# Altium PCB Shuttler_AFE.PcbDoc (part 4 of 5)
Units mil, origin at the board's own origin, x right, y up, seen from the top; angles counter-clockwise.
Board outline 3291.94 x 4295.88 mil, 4 copper layers (TOP, L2, L3, BOTTOM), stack 65.354 mil thick; 521 components, 367 nets, 1536 pads, 871 vias.
Unrouted connection lines stored in the file: 1.
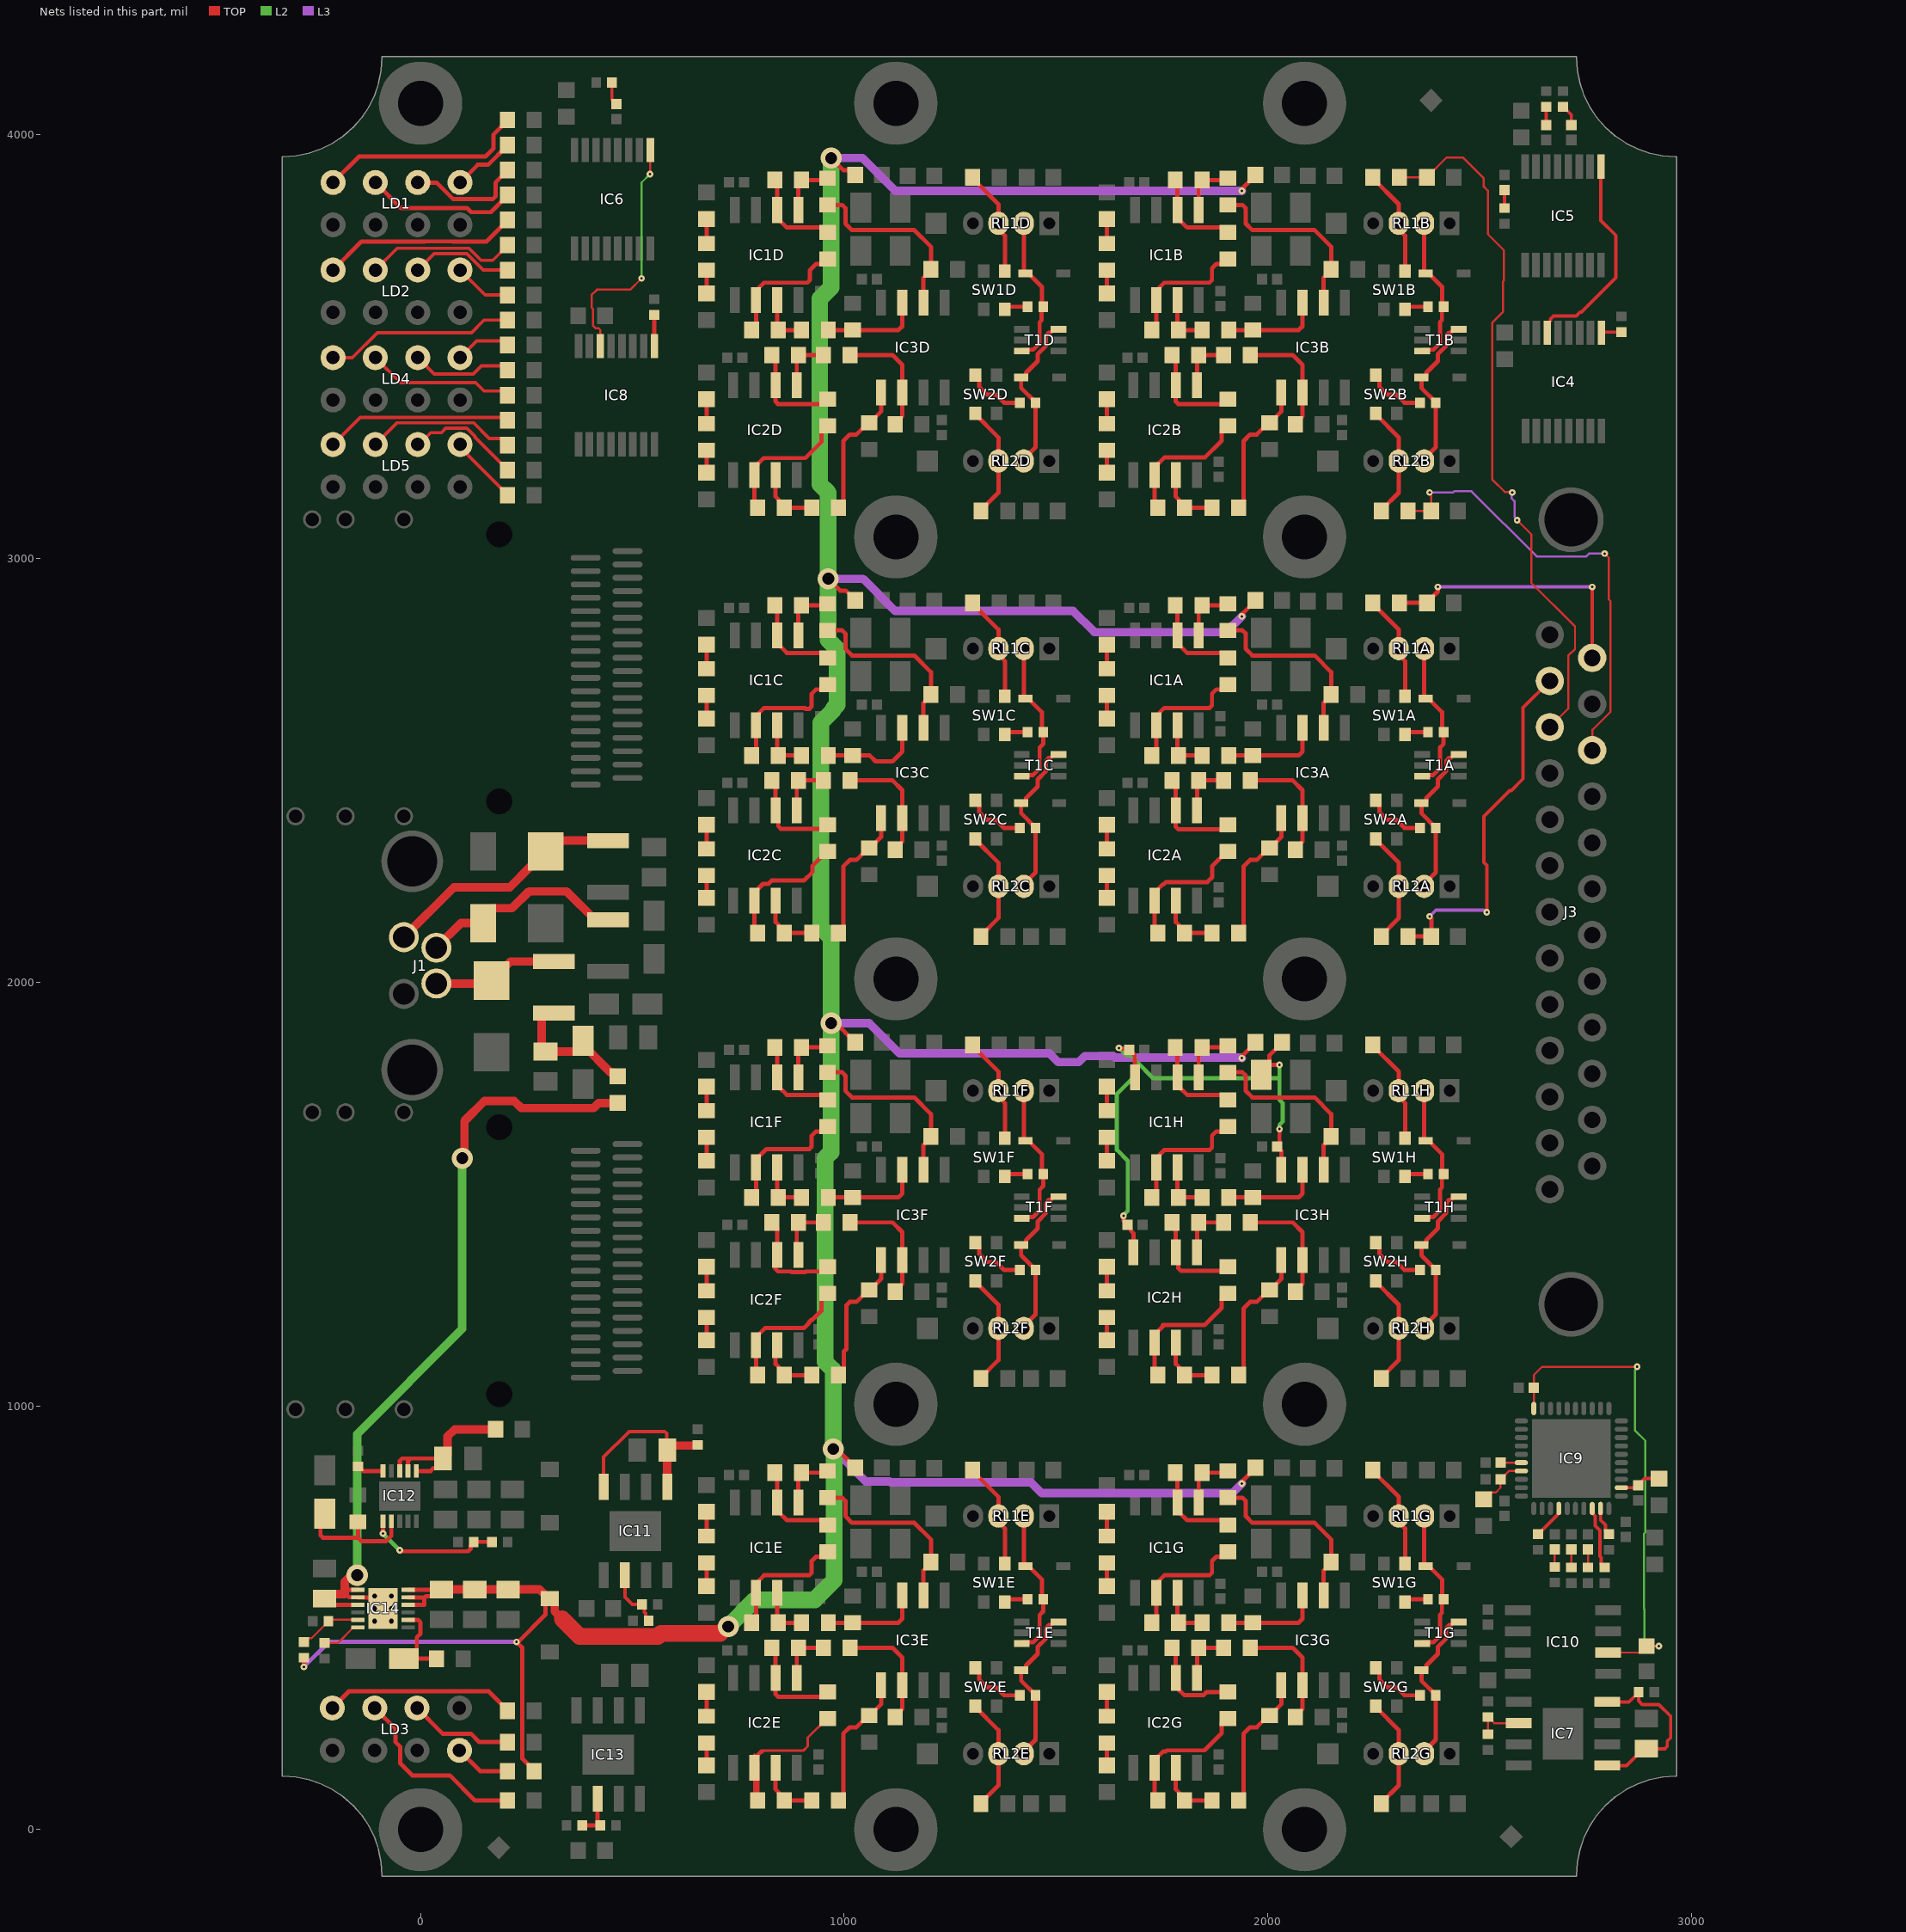
[diagram p6: the nets of this part, all layers, seen from the top]

## Via types
v1: diameter 15.75, hole 5.91, TOP to BOTTOM, tented both sides, 554 vias
v2: diameter 23.62, hole 11.81, TOP to BOTTOM, tented both sides, 300 vias
v3: diameter 50, hole 28, TOP to BOTTOM, tented both sides, 17 vias

## Nets (pads, with @x,y where several pads share a name; then routed paths per layer and width w, separated by ;. In a path a pad name is that pad's centre, name@x,y a point inside that pad or via, vN(x,y) a via of type N, cw(c..) or ccw(c..) an arc to the next point about the centre after c; other vN are vias at no path point) (continued)
N12V0_CHH: C6H.1 C7H.2 C8H.1 C9H.1 IC1H.4 IC2H.4 IC3H.4 L2H.1 | length 1400
  TOP w10: v1(1648.69,1844.91) 1649.79,1843.81 1669.97,1843.81 1686.23,1827.55 1686.23,1776.17 IC1H.4@1686.81,1775.59 ; v1(1659.45,1448.82) 1659.45,1437.01 C6H.1@1669.29,1427.17 1676.5,1419.96 1676.5,1414.09 1682.87,1407.72 IC2H.4@1682.87,1362.2 ; C7H.2@1984.25,1781.5 C7H.2@1994.09,1791.34 ; v1(2027.56,1653.54) 2027.56,1617.92 C8H.1@2021.84,1612.2 2031.89,1602.16 IC3H.4@2031.89,1557.09 ; v1(2027.56,1805.28) 2003.86,1805.28 1994.09,1795.51 C7H.2@1994.09,1791.34 ; L2H.1@2033.46,1858.27 2033.46,1857.28 2003.86,1827.68 2003.86,1801.1 C7H.2@1994.09,1791.34
  L2 w10: v1(1648.69,1844.91) 1664.98,1828.62 1674.16,1828.62 1689.35,1813.43 ; v1(1659.45,1448.82) 1659.45,1450.37 1669.29,1460.22 1669.29,1578.74 1643.7,1604.33 1643.7,1736.22 1689.35,1781.87 1689.35,1813.43 ; v1(2027.56,1653.54) 2027.56,1663.39 2035.59,1671.42 2035.59,1714.41 2027.56,1722.44 2027.56,1773.62 ; v1(2027.56,1805.28) 2027.56,1773.62 ; 1689.35,1813.43 1729.16,1773.62 2027.56,1773.62
N13V0A: C52.2 C53.2 C54.2 D7.2 IC14.10 IC14.11 IC14.12 L2A.2 L2B.2 L2C.2 L2D.2 L2E.2 L2F.2 L2G.2 L2H.2 R44.1 R64.1 | length 10250.1
  TOP w10: v1(-275.59,383.86) R64.1@-275.59,405.91 ; IC14.10@-29.53,530.51 8.86,530.51 8.86,547.24 9.84,548.23 ; IC14.11@-29.53,548.23 9.84,548.23 ; IC14.12@-29.53,565.94 C52.2@48.23,565.94 ; C52.2@49.21,566.93 C52.2@48.23,565.94 ; v1@229.03,442.91 229.03,444.01 231.62,444.01 294.72,507.11 294.72,538.02 D7.2@301.97,545.28 ; v1@230.52,438.77 240,429.29 240,167.48 267.72,139.76 R44.1@267.72,137.8 ; v3(962.35,2952.43) 990.35,2924.43 1003.72,2924.43 1025.59,2902.56 L2C.2@1025.59,2901.57 ; v3(969.35,3945.35) 997.63,3917.07 1014.03,3917.07 L2D.2@1025.59,3905.51 ; v3(974.35,898.43) 982.47,898.43 1025.59,855.32 L2E.2@1025.59,854.33 L2E.2@1025.59,853.35 ; v3@986.69,1895.78 988.08,1895.78 1003.35,1880.51 1010.91,1872.95 1011.89,1872.95 1025.59,1859.25 L2F.2@1025.59,1858.27 ; v1(1938.98,816.93) 1938.98,821.85 1970.47,853.35 L2G.2@1970.47,854.33 ; v1(1938.98,1820.87) 1938.98,1825.79 1970.47,1857.28 L2H.2@1970.47,1858.27 ; v1(1938.98,3868.11) 1938.98,3873.03 1970.47,3904.53 L2B.2@1970.47,3905.51 ; v1@1940.08,2870.19 1970.47,2900.59 L2A.2@1970.47,2901.57 ; 9.84,548.23 12.87,551.26 33.54,551.26 C52.2@48.23,565.94
  TOP w19.68: C52.2@49.21,566.93 C53.2@127.95,566.93 C54.2@206.69,566.93 280.31,566.93 301.97,545.28 308.27,545.28 316.54,537.01 316.54,515.24 334.44,497.34
  TOP w39.37: 334.44,497.34 375.42,456.36 560.28,456.36 567.1,463.18 707.21,463.18 723.47,479.43 v3(726.35,479.43)
  L3 w10: v1(-275.59,383.86) -216.54,442.91 v1(226.38,442.91)
  L3 w19.68: v3(962.35,2952.43) 1044.35,2952.43 1120.35,2876.43 1540.35,2876.43 1590.35,2826.43 1901.69,2826.43 v1(1938.98,2863.72) ; v3(969.35,1903.43) 1059.35,1903.43 1130.35,1832.43 1484.35,1832.43 1505.35,1811.43 1553.35,1811.43 1568.03,1826.12 1635.35,1826.12 1639.28,1822.19 1937.65,1822.19 v1(1938.98,1820.87) ; v3(969.35,3945.35) 1043.43,3945.35 1120.67,3868.11 v1(1938.98,3868.11) ; v3(974.35,898.43) 1051.01,821.77 1107.38,821.77 1109.24,819.91 1440.87,819.91 1466.35,794.43 1916.48,794.43 v1(1938.98,816.93)
  L2 w10: 976.68,837.42 982.36,837.42
  L2 w39.37: v3(726.35,479.43) 789.35,542.43 930.35,542.43 976.68,588.76 976.68,837.42 976.38,837.71 976.38,896.4 v3(974.35,898.43) 974.35,1084.81 954.72,1104.43 954.72,1584.65 968.83,1598.75 968.83,1903.43 968.83,2105.49 944.88,2129.43 944.88,2612.81 973.79,2641.71 973.79,2644.92 983.79,2654.92 983.79,2786.49 962.35,2807.94 v3(962.35,2952.43) 962.35,3155.49 942.35,3175.49 942.35,3613.43 969.35,3640.43 v3(969.35,3945.35)
N15V0: C47.2 C49.2 L6.2 L7.1 | length 337.1
  TOP w20: L6.2@314.96,1927.17 293.15,1927.17 285.43,1919.45 285.43,1846.46 C47.2@295.28,1836.61 369.09,1836.61 C49.2@383.86,1851.38 ; C49.2@383.86,1862.2 C49.2@383.86,1851.38 ; L7.1@465.35,1777.93 456.65,1786.63 448.61,1786.63 C49.2@383.86,1851.38
NetC11_1: C11.1 R21.2 | length 42.5
  TOP w7.87: C11.1@2657.48,4023.62 R21.2@2657.48,4066.14
NetC12_1: C12.1 IC9.6 | length 49.2
  TOP w5: C12.1@2549.21,866.14 IC9.6@2598.43,866.14
NetC13_2: C13.2 C15.1 IC9.40 IC10.6 | length 1160.3
  TOP w5: IC9.40@2627.95,994.09 C15.1@2627.95,1043.31 2627.95,1072.83 2647.64,1092.52 v1(2871.72,1092.52) ; IC10.6@2803.15,417.91 2878.54,417.91 C13.2@2893.7,433.07 v1(2923.23,433.07)
  L2 w5: v1(2871.72,1092.52) 2871.72,1089.61 2866.35,1084.24 2866.35,942.71 2890.98,918.07 2890.98,701.27 2888.01,698.3 2888.01,521.38 2889.39,520 2889.39,440.31 2896.63,433.07 v1(2923.23,433.07)
NetC16_2: C16.2 C17.1 IC9.7 | length 127.8
  TOP w5: C16.2@2509.84,779.53 2526.04,795.73 2537.87,795.73 2549.21,807.07 C17.1@2549.21,826.77 2568.9,846.46 IC9.7@2598.43,846.46
NetC19_2: C19.2 C20.1 IC9.22 | length 97.6
  TOP w7.87: IC9.22@2834.65,807.09 2868.11,807.09 C20.1@2874.02,812.99 2889.76,828.74 C19.2@2923.23,828.74
NetC23_1: C23.1 R23.2 | length 51.1
  TOP w7.87: R23.2@2696.85,4066.14 2697.64,4066.14 2716.54,4047.24 C23.1@2716.54,4023.62
NetC24_1: C24.1 R25.2 | length 42.5
  TOP w7.87: R25.2@2559.06,3827.56 C24.1@2559.06,3870.08
NetC27_1: C27.1 R28.2 | length 55.7
  TOP w7.87: R28.2@451.57,4124.02 451.57,4083.86 C27.1@462.6,4072.83
NetC29_1: C29.1 R37.2 | length 42.5
  TOP w5: R37.2@2755.91,618.9 C29.1@2755.91,661.42
NetC30_1: C30.1 R38.2 | length 41.3
  TOP w5: R38.2@2677.17,620.08 C30.1@2677.17,661.42
NetC31_1: C31.1 R39.2 | length 42.5
  TOP w5: R39.2@2716.54,618.9 C31.1@2716.54,661.42
NetC33_1: C33.1 IC7.5 IC7.8 R40.2 | length 429.7
  TOP w7.87: IC7.5@2801.18,151.38 2847.24,151.38 2886.81,190.94 C33.1@2893.7,190.94 2937.01,190.94 2942.91,196.85 2942.91,208.52 2950.93,216.54 2950.93,267.57 2923.23,295.28 2883.86,295.28 2875.2,303.94 R40.2@2875.2,324.02 ; IC7.8@2801.18,301.38 2852.56,301.38 R40.2@2875.2,324.02 ; R40.2@2875.2,324.8 R40.2@2875.2,324.02
NetC34A_1: C34A.1 R32A.2 | length 57.1
  TOP w10: R32A.2@1620.08,2740.16 C34A.1@1620.08,2797.24
NetC34B_1: C34B.1 R32B.2 | length 57.1
  TOP w10: R32B.2@1620.08,3744.09 C34B.1@1620.08,3801.18
NetC34C_1: C34C.1 R32C.2 | length 57.1
  TOP w10: R32C.2@675.2,2740.16 C34C.1@675.2,2797.24
NetC34D_1: C34D.1 R32D.2 | length 57.1
  TOP w10: R32D.2@675.2,3744.09 C34D.1@675.2,3801.18
NetC34E_1: C34E.1 R32E.2 | length 57.1
  TOP w10: R32E.2@675.2,692.91 C34E.1@675.2,750
NetC34F_1: C34F.1 R32F.2 | length 57.1
  TOP w10: R32F.2@675.2,1696.85 C34F.1@675.2,1753.94
NetC34G_1: C34G.1 R32G.2 | length 57.1
  TOP w10: R32G.2@1620.08,692.91 C34G.1@1620.08,750
NetC34H_1: C34H.1 R32H.2 | length 57.1
  TOP w10: R32H.2@1620.08,1696.85 C34H.1@1620.08,1753.94
NetC35A_2: C35A.2 R32A.1 | length 55.1
  TOP w10: C35A.2@1620.08,2622.05 R32A.1@1620.08,2677.17
NetC35B_2: C35B.2 R32B.1 | length 55.1
  TOP w10: C35B.2@1620.08,3625.98 R32B.1@1620.08,3681.1
NetC35C_2: C35C.2 R32C.1 | length 55.1
  TOP w10: C35C.2@675.2,2622.05 R32C.1@675.2,2677.17
NetC35D_2: C35D.2 R32D.1 | length 55.1
  TOP w10: C35D.2@675.2,3625.98 R32D.1@675.2,3681.1
NetC35E_2: C35E.2 R32E.1 | length 55.1
  TOP w10: C35E.2@675.2,574.8 R32E.1@675.2,629.92
NetC35F_2: C35F.2 R32F.1 | length 55.1
  TOP w10: C35F.2@675.2,1578.74 R32F.1@675.2,1633.86
NetC35G_2: C35G.2 R32G.1 | length 55.1
  TOP w10: C35G.2@1620.08,574.8 R32G.1@1620.08,629.92
NetC35H_2: C35H.2 R32H.1 | length 55.1
  TOP w10: C35H.2@1620.08,1578.74 R32H.1@1620.08,1633.86
NetC37_1: C37.1 IC11.5 IC11.8 R56.2 | length 446
  TOP w7.87: IC11.8@432.28,809.06 432.28,879.29 492.65,939.65 576.1,939.65 580.71,935.04 C37.1@580.71,907.93
  TOP w20: IC11.5@582.28,809.06 C37.1@582.28,895.67 ; C37.1@582.68,895.67 C37.1@582.28,895.67 ; R56.2@654.35,907.93 652.93,906.51 583.11,906.51 581.69,907.93 581.69,896.26 C37.1@582.28,895.67
NetC43_2: C43.2 IC12.1 IC12.2 IC12.3 L5.2 | length 416.5
  TOP w10: IC12.3@-49.21,846.46 -49.21,870.13 -43.35,875.98 -23.67,875.98 ; IC12.2@-29.53,846.46 -29.53,870.13 -23.67,875.98 ; IC12.1@-9.84,846.46 23.62,846.46 30.59,853.43 37.48,853.43 53.15,869.09 C43.2@53.15,875.98 -23.67,875.98
  TOP w20: C43.2@53.15,875.98 63.82,886.65 63.82,928.09 80.61,944.88 L5.2@177.17,944.88
NetC48_1: C48.1 IC12.7 R62.2 | length 306
  TOP w10: C48.1@-226.38,746.06 -236.22,736.22 -236.22,694.83 -230.36,688.98 -147.64,688.98 ; R62.2@-147.64,726.38 -147.64,688.98 ; IC12.7@-68.9,728.35 -68.9,693.23 -81.18,680.94 -139.61,680.94 -147.64,688.98
NetC55_2: C55.2 IC14.1 IC14.2 IC14.3 IC14.13 L7.2 | length 1915.3
  TOP w10: C55.2@-226.38,545.28 -211.61,530.51 IC14.3@-147.64,530.51 ; IC14.1@-147.64,565.94 -169.13,565.94 -178.49,556.59 -176.93,556.59 -168.65,548.31 -147.72,548.31 IC14.2@-147.64,548.23 -111.22,548.23 v2(-108.27,551.18)
  TOP w20: C55.2@-226.38,545.28 -215.71,555.94 -179.13,555.94 ; -178.49,556.59 -179.13,555.94 ; v3(-149.65,600.43) -148.65,599.43 -148.65,615.44 -179.13,584.95 -179.13,555.94 ; v3(98.43,1584.65) 103.63,1589.85 103.63,1672.72 151.04,1720.13 220.65,1720.13 237.79,1702.99 408.26,1702.99 420.21,1714.94 L7.2@465.35,1714.94
  L2 w20: v3@-149.65,592.32 v3(-149.65,600.43) -149.65,933.68 98.43,1181.76 v3(98.43,1584.65)
  other v2: -108.27,492.13 -68.9,492.13 -108.27,521.65 -68.9,521.65 -68.9,551.18
NetC56_2: C56.2 IC14.8 R68.2 | length 206.2
  TOP w10: C56.2@-39.37,403.54 C56.2@-28.54,403.54 ; IC14.8@-29.53,495.08 -5.86,495.08 0,489.22 0,462.6 -8.94,453.66 -8.94,423.15 C56.2@-28.54,403.54 ; R68.2@37.4,403.54 C56.2@-28.54,403.54
NetC57A_1: C57A.1 R46A.2 | length 57.1
  TOP w10: R46A.2@1620.08,2314.96 C57A.1@1620.08,2372.05
NetC57B_1: C57B.1 R46B.2 | length 57.1
  TOP w10: R46B.2@1620.08,3318.9 C57B.1@1620.08,3375.98
NetC57C_1: C57C.1 R46C.2 | length 57.1
  TOP w10: R46C.2@675.2,2314.96 C57C.1@675.2,2372.05
NetC57D_1: C57D.1 R46D.2 | length 57.1
  TOP w10: R46D.2@675.2,3318.9 C57D.1@675.2,3375.98
NetC57E_1: C57E.1 R46E.2 | length 57.1
  TOP w10: R46E.2@675.2,267.72 C57E.1@675.2,324.8
NetC57F_1: C57F.1 R46F.2 | length 57.1
  TOP w10: R46F.2@675.2,1271.65 C57F.1@675.2,1328.74
NetC57G_1: C57G.1 R46G.2 | length 57.1
  TOP w10: R46G.2@1620.08,267.72 C57G.1@1620.08,324.8
NetC57H_1: C57H.1 R46H.2 | length 57.1
  TOP w10: R46H.2@1620.08,1271.65 C57H.1@1620.08,1328.74
NetC58A_2: C58A.2 R46A.1 | length 53.1
  TOP w10: C58A.2@1620.08,2198.82 R46A.1@1620.08,2251.97
NetC58B_2: C58B.2 R46B.1 | length 53.1
  TOP w10: C58B.2@1620.08,3202.76 R46B.1@1620.08,3255.91
NetC58C_2: C58C.2 R46C.1 | length 53.1
  TOP w10: C58C.2@675.2,2198.82 R46C.1@675.2,2251.97
NetC58D_2: C58D.2 R46D.1 | length 53.1
  TOP w10: C58D.2@675.2,3202.76 R46D.1@675.2,3255.91
NetC58E_2: C58E.2 R46E.1 | length 53.1
  TOP w10: C58E.2@675.2,151.57 R46E.1@675.2,204.72
NetC58F_2: C58F.2 R46F.1 | length 53.1
  TOP w10: C58F.2@675.2,1155.51 R46F.1@675.2,1208.66
NetC58G_2: C58G.2 R46G.1 | length 53.1
  TOP w10: C58G.2@1620.08,151.57 R46G.1@1620.08,204.72
NetC58H_2: C58H.2 R46H.1 | length 53.1
  TOP w10: C58H.2@1620.08,1155.51 R46H.1@1620.08,1208.66
NetD1A_2: D1A.2 R33A.1 RL1A.2 T1A.6 | length 359.5
  TOP w10: T1A.6@2364.17,2486.22 2367.05,2489.09 2390.67,2489.09 2406.26,2504.69 2406.26,2553.9 2414.96,2562.6 R33A.1@2414.96,2590.55 2411.42,2594.09 2411.42,2637.8 2379.92,2669.29 D1A.2@2372.44,2669.29 2369.06,2672.68 RL1A.2@2369.06,2787.4
NetD1B_2: D1B.2 R33B.1 RL1B.2 T1B.6 | length 359.5
  TOP w10: T1B.6@2364.17,3490.16 2367.05,3493.03 2390.67,3493.03 2406.26,3508.62 2406.26,3557.83 2411.18,3562.76 2411.18,3590.71 R33B.1@2414.96,3594.49 2411.42,3598.03 2411.42,3641.73 2379.92,3673.23 D1B.2@2372.44,3673.23 2369.06,3676.61 RL1B.2@2369.06,3791.34
NetD1C_2: D1C.2 R33C.1 RL1C.2 T1C.6 | length 359.5
  TOP w10: T1C.6@1419.29,2486.22 1422.17,2489.09 1445.79,2489.09 1461.38,2504.69 1461.38,2553.9 1470.08,2562.6 R33C.1@1470.08,2590.55 1466.54,2594.09 1466.54,2637.8 1435.04,2669.29 D1C.2@1427.56,2669.29 1424.17,2672.68 RL1C.2@1424.17,2787.4
NetD1D_2: D1D.2 R33D.1 RL1D.2 T1D.6 | length 359.5
  TOP w10: T1D.6@1419.29,3490.16 1422.17,3493.03 1445.79,3493.03 1461.38,3508.62 1461.38,3557.83 1466.3,3562.76 1466.3,3590.71 R33D.1@1470.08,3594.49 1466.54,3598.03 1466.54,3641.73 1435.04,3673.23 D1D.2@1427.56,3673.23 1424.17,3676.61 RL1D.2@1424.17,3791.34
NetD1E_2: D1E.2 R33E.1 RL1E.2 T1E.6 | length 359.5
  TOP w10: T1E.6@1419.29,438.98 1422.17,441.85 1445.79,441.85 1461.38,457.44 1461.38,506.65 1470.08,515.35 R33E.1@1470.08,543.31 1466.54,546.85 1466.54,590.55 1435.04,622.05 D1E.2@1427.56,622.05 1424.17,625.43 RL1E.2@1424.17,740.16
NetD1F_2: D1F.2 R33F.1 RL1F.2 T1F.6 | length 359.5
  TOP w10: T1F.6@1419.29,1442.91 1422.17,1445.79 1445.79,1445.79 1461.38,1461.38 1461.38,1510.59 1470.08,1519.29 R33F.1@1470.08,1547.24 1466.54,1550.79 1466.54,1594.49 1435.04,1625.98 D1F.2@1427.56,1625.98 1424.17,1629.37 RL1F.2@1424.17,1744.09
NetD1G_2: D1G.2 R33G.1 RL1G.2 T1G.6 | length 359.5
  TOP w10: T1G.6@2364.17,438.98 2367.05,441.85 2390.67,441.85 2406.26,457.44 2406.26,506.65 2411.18,511.58 2411.18,539.53 R33G.1@2414.96,543.31 2411.42,546.85 2411.42,590.55 2379.92,622.05 D1G.2@2372.44,622.05 2369.06,625.43 RL1G.2@2369.06,740.16
NetD1H_2: D1H.2 R33H.1 RL1H.2 T1H.6 | length 359.5
  TOP w10: T1H.6@2364.17,1442.91 2367.05,1445.79 2390.67,1445.79 2406.26,1461.38 2406.26,1510.59 2411.18,1515.51 2411.18,1543.46 R33H.1@2414.96,1547.24 2411.42,1550.79 2411.42,1594.49 2379.92,1625.98 D1H.2@2372.44,1625.98 2369.06,1629.37 RL1H.2@2369.06,1744.09
NetD2A_2: D2A.2 R34A.1 RL2A.2 T1A.3 | length 386.2
  TOP w10: RL2A.2@2369.06,2226.38 2369.06,2231.7 2396.46,2259.1 R34A.1@2396.46,2364.17 2396.46,2364.96 2362.6,2398.82 D2A.2@2362.6,2423.23 2370.08,2423.23 2374.13,2427.28 2374.13,2434.76 2401.57,2462.2 2401.57,2478.79 2421.26,2498.47 2421.26,2519.69 2422.09,2520.51 2422.09,2523.83 2427.94,2529.69 2432.24,2529.69 2439.96,2537.4 T1A.3@2450.79,2537.4
NetD2B_2: D2B.2 R34B.1 RL2B.2 T1B.3 | length 386.2
  TOP w10: RL2B.2@2369.06,3230.31 2369.06,3235.64 2396.46,3263.04 R34B.1@2396.46,3368.11 2396.46,3368.9 2362.6,3402.76 D2B.2@2362.6,3427.17 2370.08,3427.17 2374.13,3431.22 2374.13,3438.7 2401.57,3466.14 2401.57,3482.72 2421.26,3502.41 2421.26,3523.62 2422.09,3524.45 2422.09,3527.76 2427.94,3533.62 2432.24,3533.62 2439.96,3541.34 T1B.3@2450.79,3541.34
NetD2C_2: D2C.2 R34C.1 RL2C.2 T1C.3 | length 386.2
  TOP w10: RL2C.2@1424.17,2226.38 1424.17,2231.7 1451.57,2259.1 R34C.1@1451.57,2364.17 1451.57,2364.96 1417.72,2398.82 D2C.2@1417.72,2423.23 1425.2,2423.23 1429.25,2427.28 1429.25,2434.76 1456.69,2462.2 1456.69,2478.79 1476.38,2498.47 1476.38,2519.69 1477.2,2520.51 1477.2,2523.83 1483.06,2529.69 1487.36,2529.69 1495.08,2537.4 T1C.3@1505.91,2537.4
NetD2D_2: D2D.2 R34D.1 RL2D.2 T1D.3 | length 386.2
  TOP w10: RL2D.2@1424.17,3230.31 1424.17,3235.64 1451.57,3263.04 R34D.1@1451.57,3368.11 1451.57,3368.9 1417.72,3402.76 D2D.2@1417.72,3427.17 1425.2,3427.17 1429.25,3431.22 1429.25,3438.7 1456.69,3466.14 1456.69,3482.72 1476.38,3502.41 1476.38,3523.62 1477.2,3524.45 1477.2,3527.76 1483.06,3533.62 1487.36,3533.62 1495.08,3541.34 T1D.3@1505.91,3541.34
NetD2E_2: D2E.2 R34E.1 RL2E.2 T1E.3 | length 386.2
  TOP w10: RL2E.2@1424.17,179.13 1424.17,184.46 1451.57,211.86 R34E.1@1451.57,316.93 1451.57,317.72 1417.72,351.57 D2E.2@1417.72,375.98 1425.2,375.98 1429.25,380.04 1429.25,387.52 1456.69,414.96 1456.69,431.54 1476.38,451.23 1476.38,472.44 1477.2,473.27 1477.2,476.58 1483.06,482.44 1487.36,482.44 1495.08,490.16 T1E.3@1505.91,490.16
NetD2F_2: D2F.2 R34F.1 RL2F.2 T1F.3 | length 386.2
  TOP w10: RL2F.2@1424.17,1183.07 1424.17,1188.39 1451.57,1215.8 R34F.1@1451.57,1320.87 1451.57,1321.65 1417.72,1355.51 D2F.2@1417.72,1379.92 1425.2,1379.92 1429.25,1383.98 1429.25,1391.46 1456.69,1418.9 1456.69,1435.48 1476.38,1455.16 1476.38,1476.38 1477.2,1477.2 1477.2,1480.52 1483.06,1486.38 1487.36,1486.38 1495.08,1494.09 T1F.3@1505.91,1494.09
NetD2G_2: D2G.2 R34G.1 RL2G.2 T1G.3 | length 386.2
  TOP w10: RL2G.2@2369.06,179.13 2369.06,184.46 2396.46,211.86 R34G.1@2396.46,316.93 2396.46,317.72 2362.6,351.57 D2G.2@2362.6,375.98 2370.08,375.98 2374.13,380.04 2374.13,387.52 2401.57,414.96 2401.57,431.54 2421.26,451.23 2421.26,472.44 2422.09,473.27 2422.09,476.58 2427.94,482.44 2432.24,482.44 2439.96,490.16 T1G.3@2450.79,490.16
NetD2H_2: D2H.2 R34H.1 RL2H.2 T1H.3 | length 386.2
  TOP w10: RL2H.2@2369.06,1183.07 2369.06,1188.39 2396.46,1215.8 R34H.1@2396.46,1320.87 2396.46,1321.65 2362.6,1355.51 D2H.2@2362.6,1379.92 2370.08,1379.92 2374.13,1383.98 2374.13,1391.46 2401.57,1418.9 2401.57,1435.48 2421.26,1455.16 2421.26,1476.38 2422.09,1477.2 2422.09,1480.52 2427.94,1486.38 2432.24,1486.38 2439.96,1494.09 T1H.3@2450.79,1494.09
NetD3_1: D3.1 J1.1 L3.1 | length 578.6
  TOP w20: J1.1@-39.37,2106.3 78.74,2224.41 210.63,2224.41 260,2273.78 262.95,2273.78 295.28,2306.1 D3.1@295.28,2309.06 320.87,2334.65 L3.1@442.91,2334.65
NetD4_1: D4.1 J1.2 L4.1 | length 496.9
  TOP w20: J1.2@37.4,2081.69 95.47,2139.76 D4.1@147.64,2139.76 147.64,2154.53 168.15,2175.04 216.38,2175.04 255.91,2214.57 344.49,2214.57 411.42,2147.64 L4.1@442.91,2147.64
NetD6_2: D6.2 J1.3 L6.1 | length 300.9
  TOP w20: J1.3@37.4,1997.05 160.43,1997.05 D6.2@167.32,2003.94 167.32,2006.89 199.65,2039.21 202.6,2039.21 212.6,2049.21 L6.1@314.96,2049.21
NetIC1A_1: IC1A.1 R2A.2 R3A.1 | length 136.7
  TOP w10: IC1A.1@1836.81,2818.9 1836.81,2882.09 R2A.2@1844.48,2889.76 1901.57,2889.76 R3A.1@1905.51,2893.7
NetIC1A_2: IC1A.2 R2A.1 R45A.2 | length 224.9
  TOP w10: R2A.1@1781.49,2889.76 1786.81,2884.45 IC1A.2@1786.81,2818.9 1791.34,2814.37 1791.34,2795.67 1809.44,2777.56 1893.89,2777.56 R45A.2@1905.7,2765.75
NetIC1A_6: IC1A.6 R7A.1 R45A.1 | length 313.5
  TOP w10: R7A.1@1726.37,2535.43 1736.81,2545.87 IC1A.6@1736.81,2606.3 1743.62,2613.11 1743.62,2635.35 1755.67,2647.4 1862.41,2647.4 1868.27,2653.26 1868.27,2681.26 1878.43,2691.42 1894.36,2691.42 R45A.1@1905.7,2702.76
NetIC1A_7: IC1A.7 R5A.1 R7A.2 | length 127
  TOP w10: IC1A.7@1786.81,2606.3 1786.81,2537.99 R7A.2@1789.36,2535.43 R5A.1@1844.48,2535.43
NetIC1B_1: IC1B.1 R2B.2 R3B.1 | length 136.7
  TOP w10: IC1B.1@1836.81,3822.83 1836.81,3886.03 R2B.2@1844.48,3893.7 1901.57,3893.7 R3B.1@1905.51,3897.64
NetIC1B_2: IC1B.2 R2B.1 R45B.2 | length 224.9
  TOP w10: R2B.1@1781.49,3893.7 1786.81,3888.38 IC1B.2@1786.81,3822.83 1791.34,3818.3 1791.34,3799.6 1809.44,3781.5 1893.89,3781.5 R45B.2@1905.7,3769.69
NetIC1B_6: IC1B.6 R7B.1 R45B.1 | length 313.5
  TOP w10: R7B.1@1726.37,3539.37 1736.81,3549.8 IC1B.6@1736.81,3610.24 1743.62,3617.05 1743.62,3639.29 1755.67,3651.34 1862.41,3651.34 1868.27,3657.19 1868.27,3685.2 1878.43,3695.35 1894.36,3695.35 R45B.1@1905.7,3706.69
NetIC1B_7: IC1B.7 R5B.1 R7B.2 | length 127
  TOP w10: IC1B.7@1786.81,3610.24 1786.81,3541.93 R7B.2@1789.36,3539.37 R5B.1@1844.48,3539.37
NetIC1C_1: IC1C.1 R2C.2 R3C.1 | length 136.7
  TOP w10: IC1C.1@891.92,2818.9 891.92,2882.09 R2C.2@899.6,2889.76 956.69,2889.76 R3C.1@960.63,2893.7
NetIC1C_2: IC1C.2 R2C.1 R45C.2 | length 224.9
  TOP w10: R2C.1@836.61,2889.76 841.92,2884.45 IC1C.2@841.92,2818.9 846.46,2814.37 846.46,2795.67 864.56,2777.56 949.01,2777.56 R45C.2@960.82,2765.75
NetIC1C_6: IC1C.6 R7C.1 R45C.1 | length 315.7
  TOP w10: R7C.1@781.49,2535.43 791.92,2545.87 IC1C.6@791.92,2606.3 798.74,2613.11 798.74,2635.35 810.2,2646.81 907.88,2646.81 909.24,2645.45 917.53,2645.45 923.39,2651.3 923.39,2681.26 933.54,2691.42 949.48,2691.42 R45C.1@960.82,2702.76
NetIC1C_7: IC1C.7 R5C.1 R7C.2 | length 127
  TOP w10: IC1C.7@841.92,2606.3 841.92,2537.99 R7C.2@844.48,2535.43 R5C.1@899.6,2535.43
NetIC1D_1: IC1D.1 R2D.2 R3D.1 | length 136.7
  TOP w10: IC1D.1@891.92,3822.83 891.92,3886.03 R2D.2@899.6,3893.7 956.69,3893.7 R3D.1@960.63,3897.64
NetIC1D_2: IC1D.2 R2D.1 R45D.2 | length 224.9
  TOP w10: R2D.1@836.61,3893.7 841.92,3888.38 IC1D.2@841.92,3822.83 846.46,3818.3 846.46,3799.6 864.56,3781.5 949.01,3781.5 R45D.2@960.82,3769.69
NetIC1D_6: IC1D.6 R7D.1 R45D.1 | length 310.8
  TOP w10: R7D.1@781.49,3539.37 791.92,3549.8 IC1D.6@791.92,3610.24 798.74,3617.05 798.74,3639.29 810.79,3651.34 913.06,3651.34 918.91,3657.19 918.91,3680.72 933.54,3695.35 949.48,3695.35 R45D.1@960.82,3706.69
NetIC1D_7: IC1D.7 R5D.1 R7D.2 | length 127
  TOP w10: IC1D.7@841.92,3610.24 841.92,3541.93 R7D.2@844.48,3539.37 R5D.1@899.6,3539.37
NetIC1E_1: IC1E.1 R2E.2 R3E.1 | length 136.7
  TOP w10: IC1E.1@891.92,771.65 891.92,834.84 R2E.2@899.6,842.52 956.69,842.52 R3E.1@960.63,846.46
NetIC1E_2: IC1E.2 R2E.1 R45E.2 | length 224.9
  TOP w10: R2E.1@836.61,842.52 841.92,837.2 IC1E.2@841.92,771.65 846.46,767.12 846.46,748.42 864.56,730.31 949.01,730.31 R45E.2@960.82,718.5